# Altium PCB foxbms2-interface-mc33664.PcbDoc (part 1 of 2)
Units mm, origin at the board's own origin, x right, y up, seen from the top; angles counter-clockwise.
Board outline 70 x 120 mm, 4 copper layers (Top Copper, GND, Supply, Bot Copper), stack 1.56 mm thick; 114 components, 84 nets, 318 pads, 124 vias.
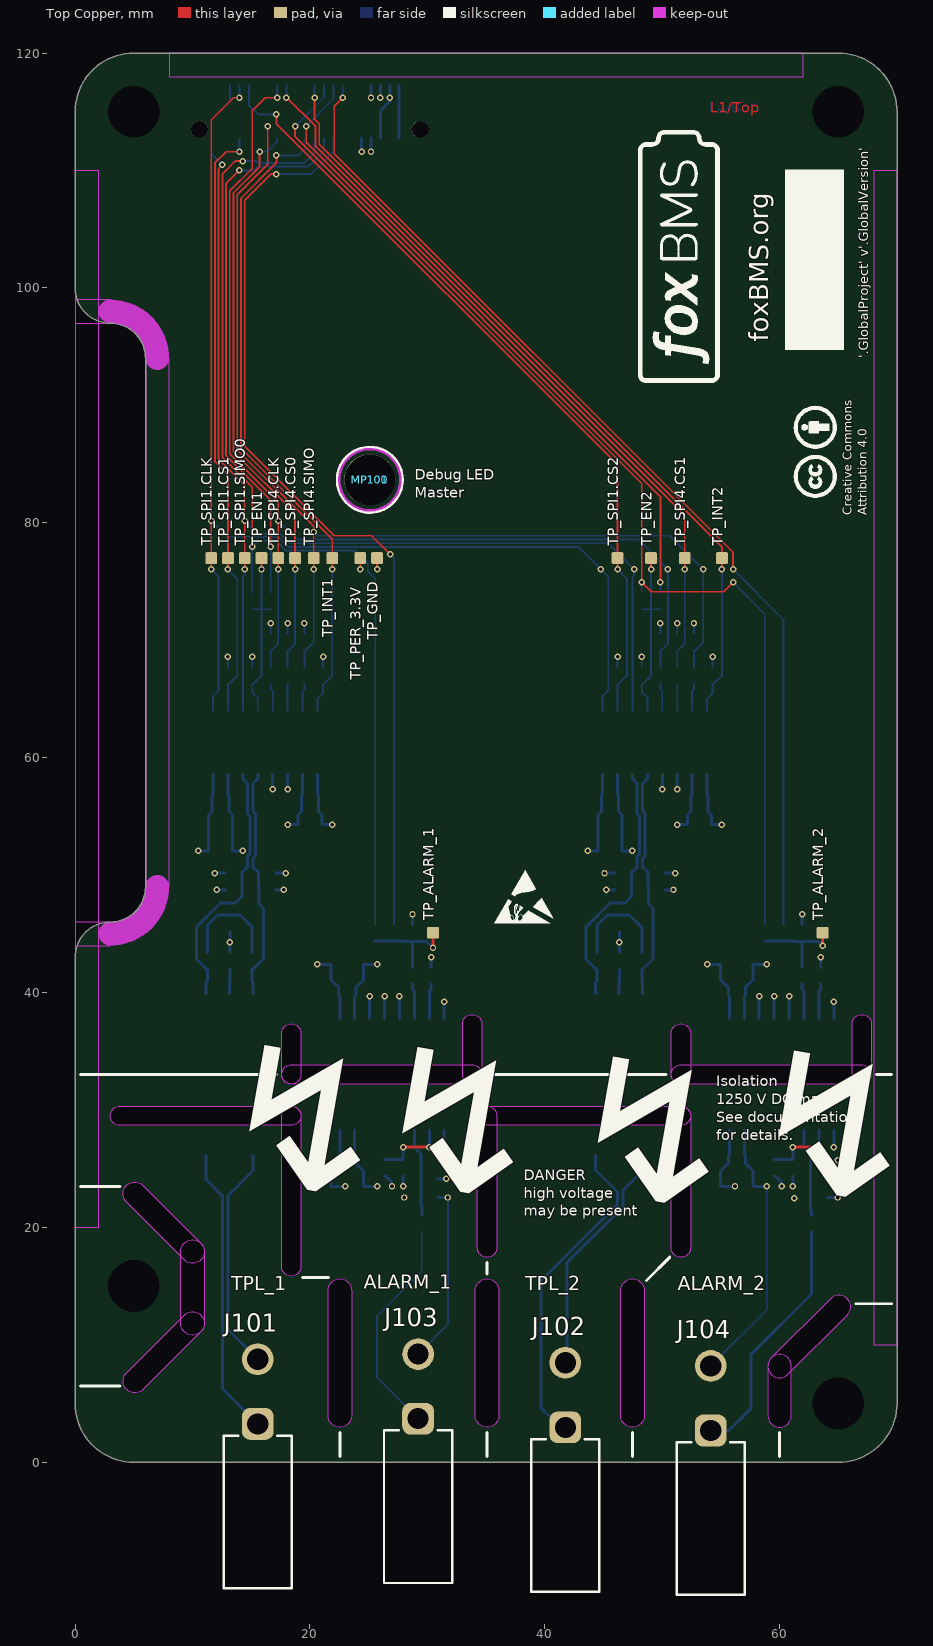
[diagram p0: Top Copper view]
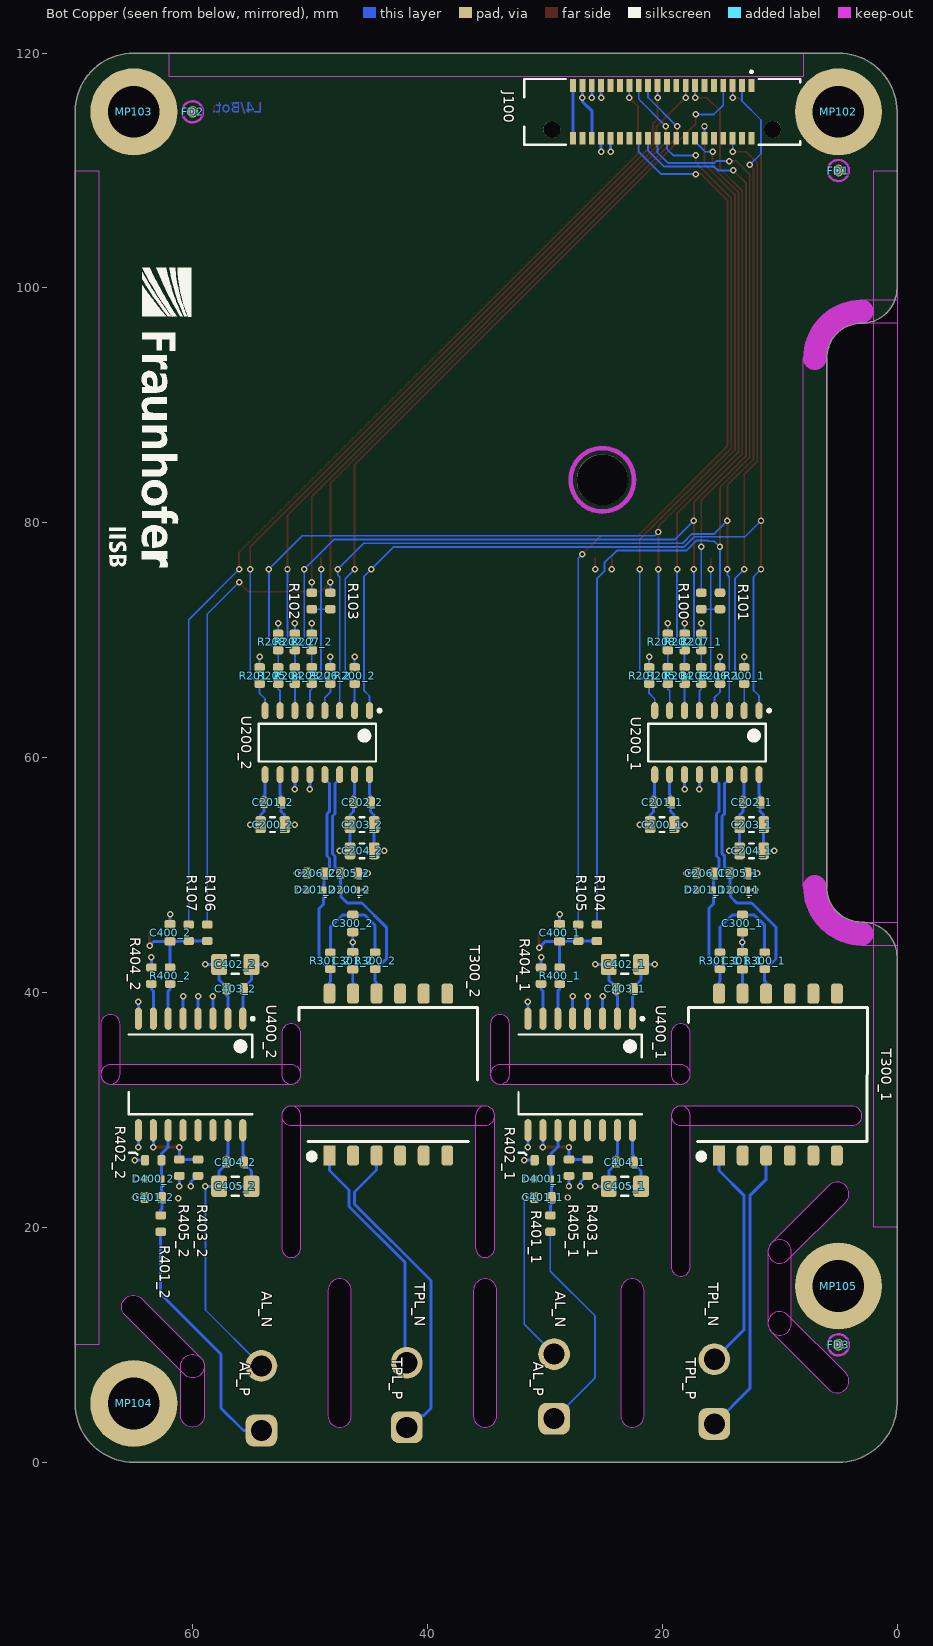
[diagram p1: Bot Copper view, seen from below]
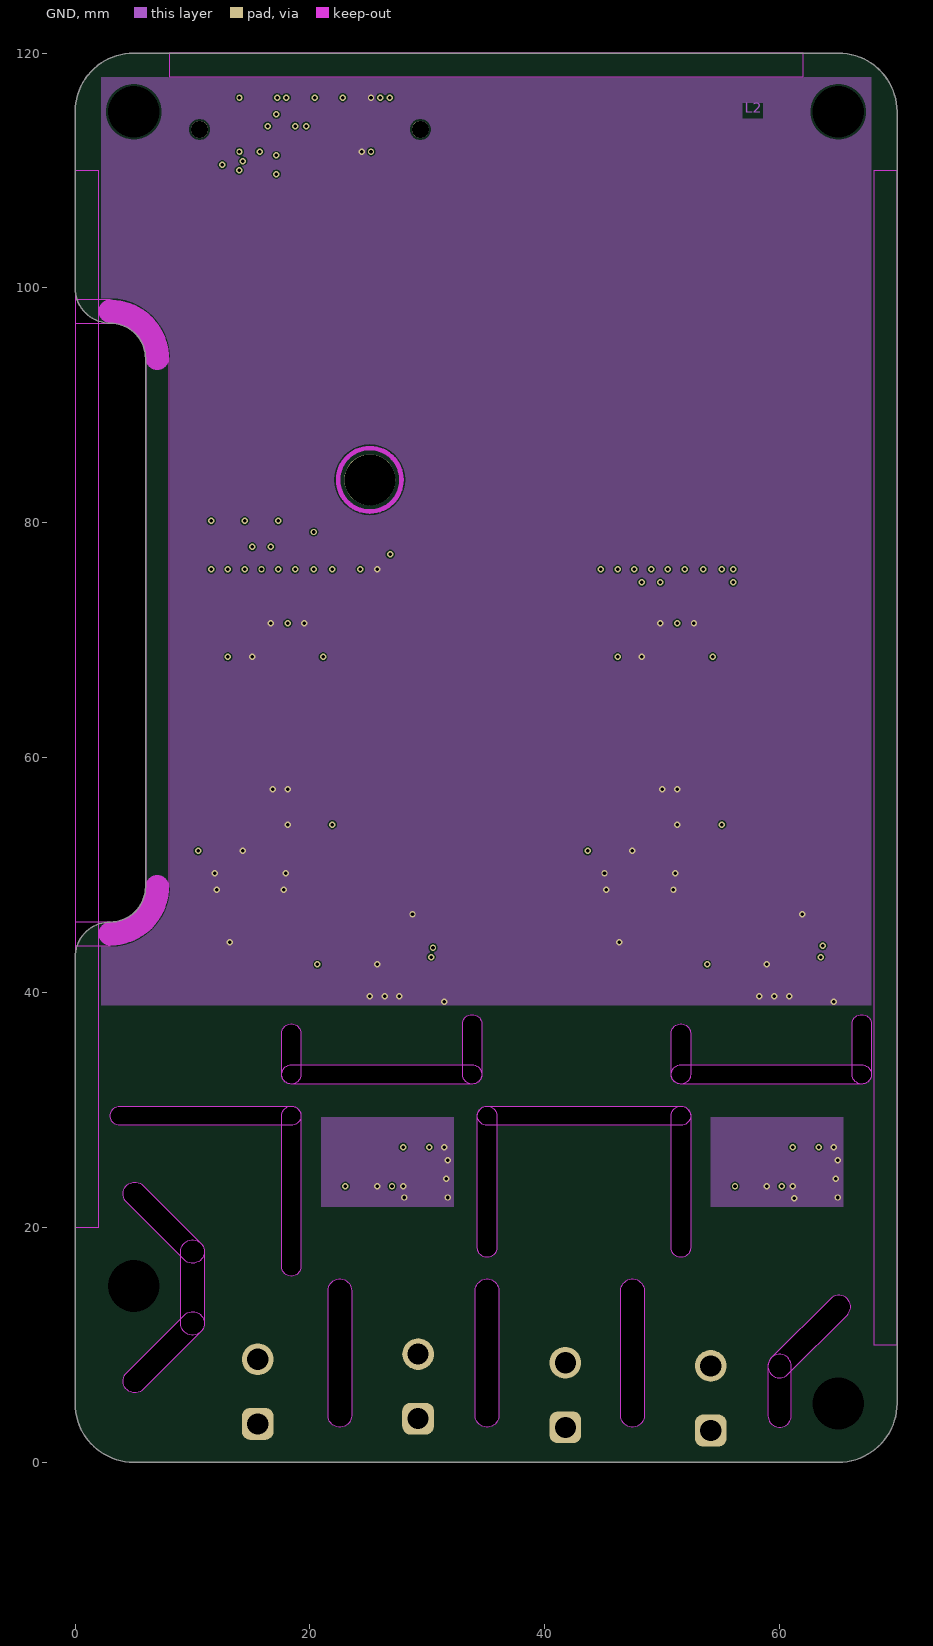
[diagram p2: GND]
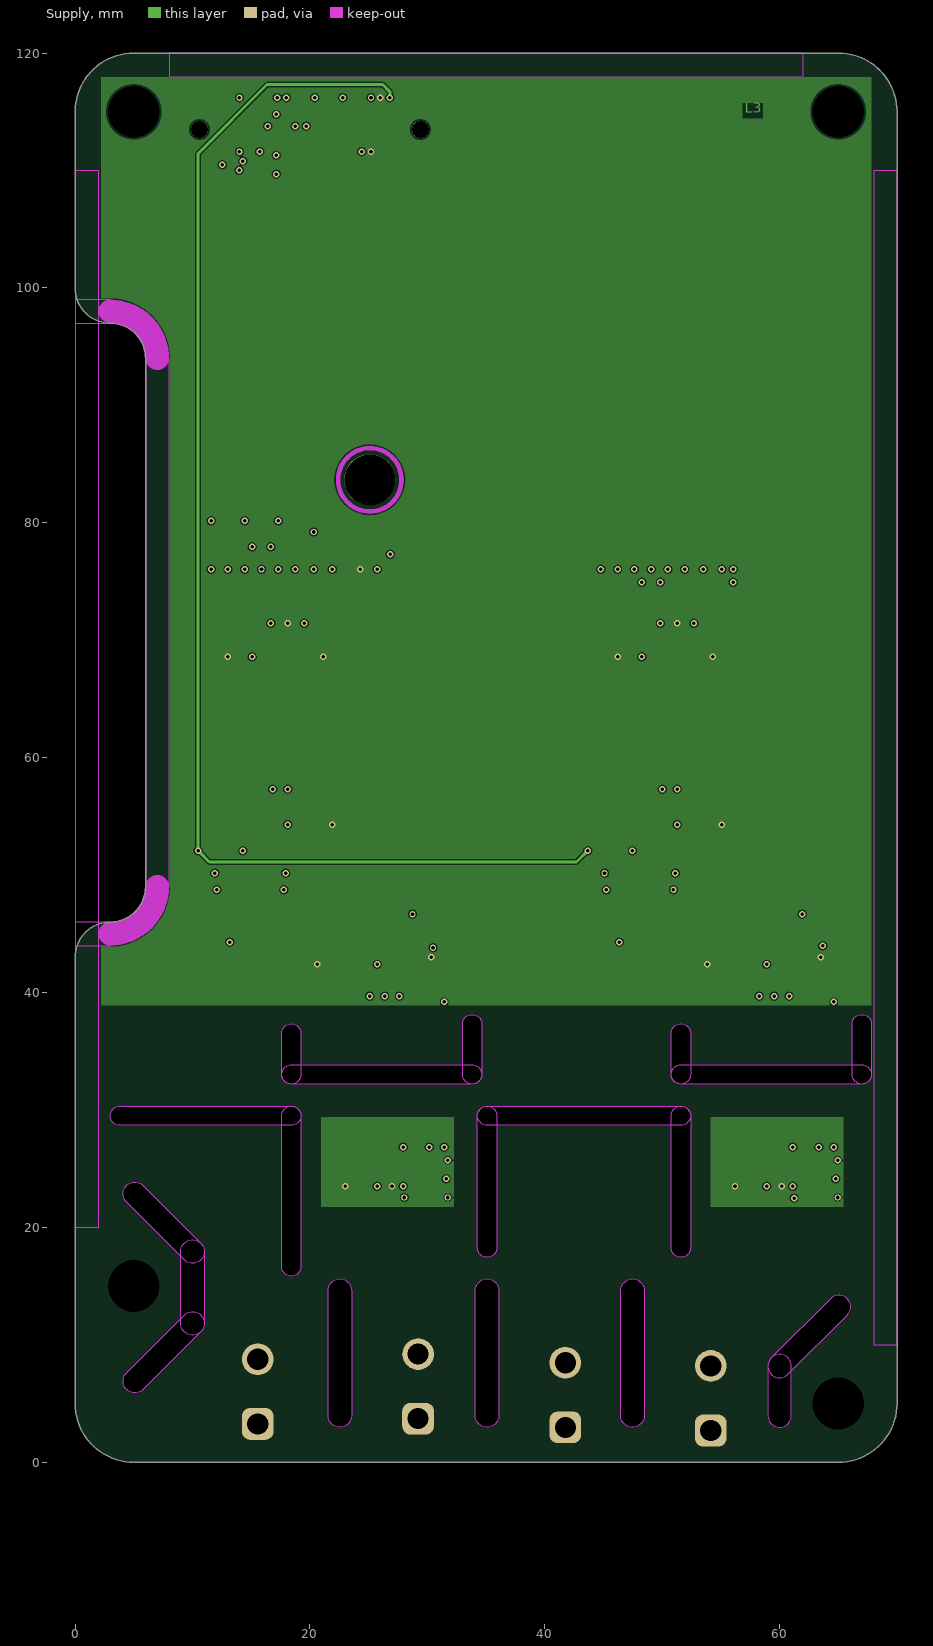
[diagram p3: Supply]
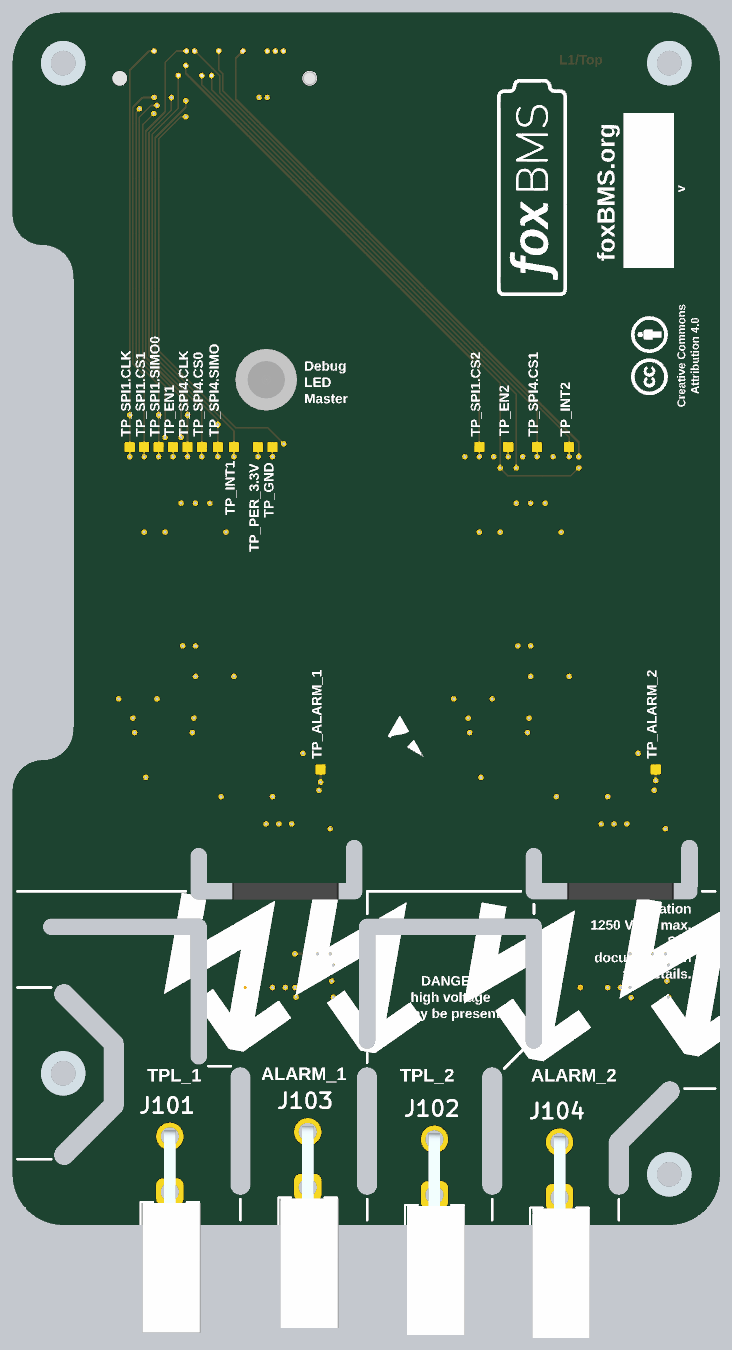
[diagram p5: 3D render of the assembled board from above, using the file's embedded part models]
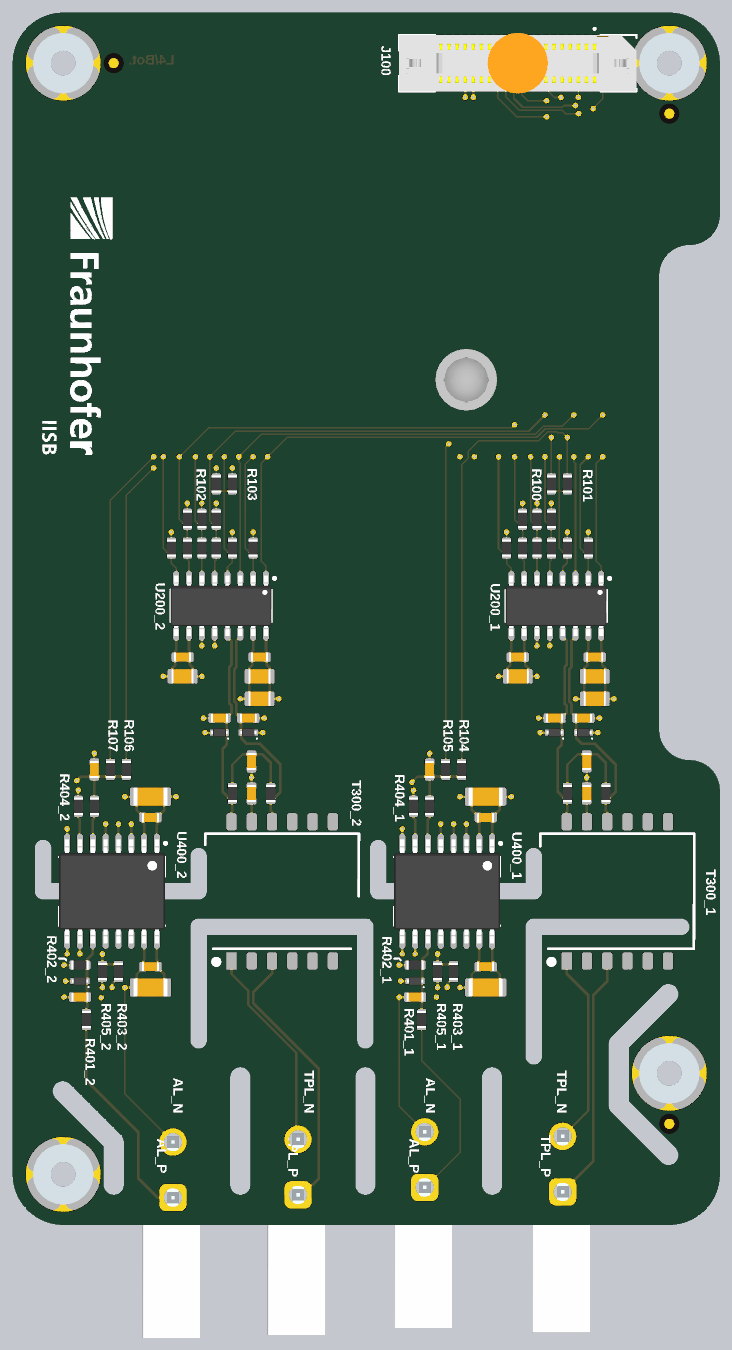
[diagram p6: 3D render of the assembled board from below, using the file's embedded part models]

## Layer stack, top to bottom
Top Solder: solder mask 0.015, Solder Resist, Dk 3.5
Top Copper: signal copper 0.035
Dielectric 1: prepreg 0.36, FR-4, Dk 4.6
GND: signal copper 0.035
Dielectric 2: core 0.7, FR-4, Dk 4.6
Supply: signal copper 0.035
Dielectric 3: prepreg 0.36, FR-4, Dk 4.6
Bot Copper: signal copper 0.035
Bottom Solder: solder mask 0.015, Solder Resist, Dk 3.5

## Board outline
0,5 0,43 cw(c3,43) 3,46 ccw(c3,49) 6,49 6,94 ccw(c3,94) 3,97 cw(c3,100) 0,100 0,115 cw(c5,115) 5,120 65,120 cw(c65,115) 70,115 70,5 cw(c65,5) 65,0 5,0 cw(c5,5)
cut-out: 34.084,14.605 cw(c35.084,14.605) 36.084,14.605 36.084,3.969 cw(c35.084,3.969) 34.084,3.969
cut-out: 35.901,18.256 cw(c35.084,18.256) 34.266,18.256 34.266,29.504 cw(c35.084,29.504) 35.901,29.504
cut-out: 50.776,36.512 cw(c51.594,36.513) 52.411,36.513 52.411,33.02 cw(c51.594,33.02) 50.776,33.02
cut-out: 66.175,37.306 cw(c66.992,37.306) 67.81,37.306 67.81,33.02 cw(c66.993,33.02) 66.175,33.02
cut-out: 51.594,32.203 cw(c51.594,33.02) 51.594,33.837 66.992,33.838 cw(c66.993,33.02) 66.993,32.203
cut-out: 52.411,18.256 cw(c51.594,18.256) 50.776,18.256 50.776,29.504 cw(c51.594,29.504) 52.411,29.504
cut-out: 19.233,16.669 cw(c18.415,16.669) 17.598,16.669 17.597,29.504 cw(c18.415,29.504) 19.233,29.504
cut-out: 18.415,30.321 cw(c18.415,29.504) 18.415,28.686 3.81,28.686 cw(c3.81,29.504) 3.81,30.321
cut-out: 51.594,30.321 cw(c51.594,29.504) 51.594,28.686 35.084,28.686 cw(c35.084,29.504) 35.084,30.321
cut-out: 18.415,32.203 cw(c18.415,33.02) 18.415,33.837 33.814,33.838 cw(c33.814,33.02) 33.814,32.203
cut-out: 32.996,37.306 cw(c33.814,37.306) 34.631,37.306 34.631,33.02 cw(c33.814,33.02) 32.996,33.02
cut-out: 17.598,36.513 cw(c18.415,36.513) 19.233,36.513 19.233,33.02 cw(c18.415,33.02) 17.598,33.02
cut-out: 9,17.939 cw(c10,17.939) 11,17.939 11,11.818 cw(c10,11.818) 9,11.818
cut-out: 5.802,6.206 cw(c5.094,6.913) 4.387,7.62 9.293,12.526 cw(c10,11.819) 10.707,11.112
cut-out: 4.387,22.137 cw(c5.094,22.844) 5.802,23.551 10.707,18.646 cw(c10,17.939) 9.293,17.232
cut-out: 21.542,14.605 cw(c22.542,14.605) 23.542,14.605 23.542,3.969 cw(c22.542,3.969) 21.542,3.969
cut-out: 46.466,14.605 cw(c47.466,14.605) 48.466,14.605 48.466,3.969 cw(c47.466,3.969) 46.466,3.969
cut-out: 65.748,12.516 ccw(c65.041,13.223) 64.334,13.93 59.293,8.889 ccw(c60,8.182) 60.707,7.475
cut-out: 61,8.182 ccw(c60,8.182) 59,8.182 59,3.969 ccw(c60,3.969) 61,3.969

## Design rules (kind name [scope] priority, off if disabled: settings)
AssemblyTestPointUsage [All] p1 off:
AssemblyTestpoint [(IsPad And (OnTopLayer Or OnBottomLayer)) Or (IsPad And OnMultiLayer)] p1 off: testpointundercomponent=FALSE minsize=1.016 maxsize=2.54 preferedsize=1.524 minholesize=0 maxholesize=1.016 preferedholesize=0.813 testpointgrid=0.025 usegrid=TRUE gridtolerance=0 allowsidetop=TRUE
BoardOutlineClearance [All] p1: gap=0.203 ignorepadtopadclearanceinfootprint=FALSE except(0.508: Arc-CavityEdge Track-CavityEdge SMDPad-CavityEdge THPad-CavityEdge Via-CavityEdge Fill-CavityEdge Poly-CavityEdge Region-CavityEdge Text-CavityEdge)
Clearance Clearance_TPL_1 [InNetClass('TPL_1') vs Not InNetClass('TPL_1')] p1: gap=1.3 ignorepadtopadclearanceinfootprint=TRUE
Clearance Clearance_TPL_2 [InNetClass('TPL_2') vs Not InNetClass('TPL_2')] p2: gap=1.3 ignorepadtopadclearanceinfootprint=TRUE
Clearance Clearance_ALARM_1 [InNetClass('ALARM_1') vs Not InNetClass('ALARM_1')] p3: gap=1.3 ignorepadtopadclearanceinfootprint=TRUE
Clearance Clearance_ALARM_2 [InNetClass('ALARM_2') vs Not InNetClass('ALARM_2')] p4: gap=1.3 ignorepadtopadclearanceinfootprint=TRUE
Clearance [All] p5: gap=0.102 ignorepadtopadclearanceinfootprint=TRUE except(0.152: Arc-Text Arc-Hole Track-Text Track-Hole SMDPad-Text SMDPad-Hole THPad-Text THPad-Hole Via-Text Via-Hole Fill-Text Fill-Hole Poly-Text Poly-Hole Region-Text Region-Hole Text-Text Text-Hole; 0.203: Arc-Via Track-Via SMDPad-Via THPad-Via Via-Via)
ComponentClearance ComponentClearance_Lightpipe [InComponent('MP100')] p1: gap=-1 collisioncheckmode=3 verticalgap=-1 showdistances=FALSE
ComponentClearance [All] p2: gap=0.2 collisioncheckmode=3 verticalgap=0.2 showdistances=FALSE
Creepage Creepage_TPL_1 [InNetClass('TPL_1') vs Not InNetClass('TPL_1')] p1: checkdistance=12.5
Creepage Creepage_TPL_2 [InNetClass('TPL_2') vs Not InNetClass('TPL_2')] p2: checkdistance=12.5
Creepage Creepage_ALARM_1 [InNetClass('ALARM_1') vs Not InNetClass('ALARM_1')] p3: checkdistance=12.5
Creepage Creepage_ALARM_2 [InNetClass('ALARM_2') vs Not InNetClass('ALARM_2')] p4: checkdistance=12.5
DiffPairsRouting [All] p1: maxlimit=0.254 minlimit=0.152 mostfreqgap=0.222 toplayer_minwidth=0.254 toplayer_maxwidth=0.254 toplayer_prefwidth=0.254 midlayer1_minwidth=0.254 midlayer1_maxwidth=0.254 midlayer1_prefwidth=0.254 midlayer2_minwidth=0.254 midlayer2_maxwidth=0.254 midlayer2_prefwidth=0.254 bottomlayer_minwidth=0.254 bottomlayer_maxwidth=0.254 bottomlayer_prefwidth=0.254 maxuncoupledlength=17.78
FabricationTestpoint [All] p1: side=1 testpointundercomponent=TRUE minsize=0.508 maxsize=7.62 preferedsize=1.524 minholesize=0 maxholesize=1.05 preferedholesize=0.813 testpointgrid=0.025 allowsidetop=TRUE usegrid=FALSE gridtolerance=0
HoleSize [All] p1: absolutevalues=TRUE maxlimit=5.994 minlimit=0.2 maxpercent=80.000 minpercent=20.000
HoleToHoleClearance [All] p1: gap=0.152 allowstackedmicrovias=TRUE
MinimumAnnularRing [All] p1: minimumring=0.102
MinimumSolderMaskSliver [All] p1: minsoldermaskwidth=0.102
PlaneConnect [All] p1: planeconnectstyle=Direct reliefexpansion=0.508 reliefentries=4 reliefconductorwidth=0.254 reliefairgap=0.254
PolygonConnect [All] p1: connectstyle=Direct reliefconductorwidth=0.254 reliefentries=4 polygonreliefangle="90 Angle" airgapwidth=0.254
RoomDefinition digital-isolator-alarm2 [InComponentClass('digital-isolator-alarm2')] p1: confinementstyle=ConfineIn formatcopy=TRUE lockcomponents=FALSE outline 51.911,18.256 67.945,18.256 67.945,47.784 51.911,47.784
RoomDefinition digital-isolator-alarm1 [InComponentClass('digital-isolator-alarm1')] p2: confinementstyle=ConfineIn formatcopy=TRUE lockcomponents=FALSE outline 18.732,18.256 34.766,18.256 34.766,47.784 18.732,47.784
RoomDefinition TPL-transceiver-2 [InComponentClass('TPL-transceiver-2')] p3: confinementstyle=ConfineIn formatcopy=TRUE lockcomponents=FALSE outline 41.434,47.942 56.991,47.942 56.991,76.359 41.434,76.359
RoomDefinition TPL-transformer-2 [InComponentClass('TPL-transformer-2')] p4: confinementstyle=ConfineIn formatcopy=TRUE lockcomponents=FALSE outline 35.401,18.256 51.276,18.256 51.276,47.784 35.401,47.784
RoomDefinition TPL-transformer-1 [InComponentClass('TPL-transformer-1')] p5: confinementstyle=ConfineIn formatcopy=TRUE lockcomponents=FALSE outline 2.222,18.256 18.098,18.256 18.098,47.784 2.222,47.784
RoomDefinition TPL-transceiver-1 [InComponentClass('TPL-transceiver-1')] p6: confinementstyle=ConfineIn formatcopy=TRUE lockcomponents=FALSE outline 8.255,47.942 23.812,47.942 23.812,76.359 8.255,76.359
RoutingVias [All] p1: holewidth=0.203 width=0.45 viastyle="Through Hole" minholewidth=0.203 minwidth=0.45 maxholewidth=1 maxwidth=7 useviatemplates=TRUE viatemplateguid#1={D0A3D638-558F-4074-B05B-B31E3332276D} viatemplatename#1=0.3mm_tented
SMDEntry [All] p1: side=TRUE corner=TRUE anyangle=FALSE
SMDToCorner [All] p1: distance=40000
SilkToSolderMaskClearance [IsPad] p1: minsilkscreentomaskgap=0.102 clearancetoexposedcopper=FALSE
SolderMaskExpansion SolderMaskExpansion_VIAs [IsVia] p1: expansion=-10 istentingtop=FALSE // Cover all Vias
SolderMaskExpansion [All] p2: expansion=0.051 istentingtop=FALSE
SupplyNets "Schematic Supply Nets_8" [InNet('GND_ISO_2')] p1: voltage=0.000
SupplyNets "Schematic Supply Nets_7" [InNet('VISO_2')] p2: voltage=0.000
SupplyNets "Schematic Supply Nets_6" [InNet('VSUP')] p3: voltage=0.000
SupplyNets "Schematic Supply Nets_5" [InNet('GND')] p4: voltage=0.000
SupplyNets "Schematic Supply Nets_4" [InNet('PER_3.3V')] p5: voltage=0.000
SupplyNets "Schematic Supply Nets_3" [InNet('VBB_12V')] p6: voltage=0.000
SupplyNets "Schematic Supply Nets_2" [InNet('GND_ISO_1')] p7: voltage=0.000
SupplyNets "Schematic Supply Nets_1" [InNet('VISO_1')] p8: voltage=0.000
SupplyNets "Schematic Supply Nets" [InNet('PER_5.0V')] p9: voltage=0.000
UnRoutedNet [All] p1: checkbadconnections=TRUE
UnpouredPolygon UnpouredPolygon_1 [All] p1:
Width [All] p1: maxlimit=1.524 minlimit=0.102 preferedwidth=0.152
18 further rules are at their usual default settings.

## Classes and differential pairs
channel class digital-isolator-3in-1out-power: digital-isolator-alarm1 digital-isolator-alarm2
component class digital-isolator-alarm2: C402_2 C403_2 C404_2 C405_2 R403_2 R404_2 R405_2 U400_2
component class digital-isolator-alarm1: C402_1 C403_1 C404_1 C405_1 R403_1 R404_1 R405_1 U400_1
channel class alarm-interface: alarm-interface-1 alarm-interface-2
net class ALARM_2: ALARM_2._P ALARM_2_IND ALARM_2_U_1 ALARM_2_U_2 ALARM_2_U_3 ALARM_2_U_4 GND_ISO_2 VISO_2
net class ALARM_1: ALARM_1._P ALARM_1_IND ALARM_1_U_1 ALARM_1_U_2 ALARM_1_U_3 ALARM_1_U_4 GND_ISO_1 VISO_1
component class alarm-interface-2: C400_2 C401_2 D400_2 R400_2 R401_2 R402_2
component class alarm-interface-1: C400_1 C401_1 D400_1 R400_1 R401_1 R402_1
channel class TPL-transformer: TPL-transformer-1 TPL-transformer-2
channel class TPL-transceiver: TPL-transceiver-1 TPL-transceiver-2
net class TPL_2: TPL_2._N TPL_2._P TR_unused_2.1 TR_unused_2.2 TR_unused_2.3
net class TPL_1: TPL_1._N TPL_1._P TR_unused_1.1 TR_unused_1.2 TR_unused_1.3
component class TPL-transformer-2: C300_2 C301_2 R300_2 R301_2 T300_2
component class TPL-transformer-1: C300_1 C301_1 R300_1 R301_1 T300_1
component class foxbms2-interface-mc33664: J100 J101 MP102 MP103 MP104 MP105 R100 R101 R102 R103 R104 R105 R106 R107 TP_ALARM_1 TP_ALARM_2 TP_EN1 TP_EN2 TP_GND TP_INT1 TP_INT2 TP_PER_3.3V TP_SPI1.CLK TP_SPI1.CS1 TP_SPI1.CS2 TP_SPI1.SIMO0 TP_SPI4.CLK TP_SPI4.CS0 TP_SPI4.CS1 TP_SPI4.SIMO
component class TPL-transceiver-2: C200_2 C201_2 C202_2 C203_2 C204_2 C205_2 C206_2 D200_2 D201_2 R200_2 R201_2 R202_2 R203_2 R204_2 R205_2 R206_2 R207_2 R208_2 U200_2
component class TPL-transceiver-1: C200_1 C201_1 C202_1 C203_1 C204_1 C205_1 C206_1 D200_1 D201_1 R200_1 R201_1 R202_1 R203_1 R204_1 R205_1 R206_1 R207_1 R208_1 U200_1
differential pair TPL_INT_2: +TPL_INT_2_P -TPL_INT_2_N
differential pair TPL_INT_1: +TPL_INT_1_P -TPL_INT_1_N
differential pair TPL_2.: +TPL_2._P -TPL_2._N
differential pair TPL_1.: +TPL_1._P -TPL_1._N

## Components (designator, comment, footprint, x,y, rotation, side; value= is the part's Value field where it differs from the comment)
C200_1 "1u/50V" CAPC2012X14N 20.002,54.292 r0 bottom (schematic designator C200)
C200_2 "1u/50V" CAPC2012X14N 53.181,54.292 r0 bottom (schematic designator C200)
C201_1 "100n/50V" CAPC1608X08N 20.002,56.197 r0 bottom (schematic designator C201)
C201_2 "100n/50V" CAPC1608X08N 53.181,56.197 r0 bottom (schematic designator C201)
C202_1 "100n/50V" CAPC1608X08N 12.383,56.197 r180 bottom (schematic designator C202)
C202_2 "100n/50V" CAPC1608X08N 45.561,56.197 r180 bottom (schematic designator C202)
C203_1 "1u/50V" CAPC2012X14N 12.383,54.292 r180 bottom (schematic designator C203)
C203_2 "1u/50V" CAPC2012X14N 45.561,54.292 r180 bottom (schematic designator C203)
C204_1 "1u/50V" CAPC2012X14N 12.383,52.07 r180 bottom (schematic designator C204)
C204_2 "1u/50V" CAPC2012X14N 45.561,52.07 r180 bottom (schematic designator C204)
C205_1 "100p/50V" CAPC1608X08N 13.494,50.165 r180 bottom (schematic designator C205)
C205_2 "100p/50V" CAPC1608X08N 46.672,50.165 r180 bottom (schematic designator C205)
C206_1 "100p/50V" CAPC1608X08N 16.351,50.165 r180 bottom (schematic designator C206)
C206_2 "100p/50V" CAPC1608X08N 49.53,50.165 r180 bottom (schematic designator C206)
C300_1 "4n7/50V" CAPC1608X08N 13.176,45.879 r270 bottom (schematic designator C300)
C300_2 "4n7/50V" CAPC1608X08N 46.355,45.879 r270 bottom (schematic designator C300)
C301_1 "100p/50V" CAPC1608X08N 13.176,42.704 r270 bottom (schematic designator C301)
C301_2 "100p/50V" CAPC1608X08N 46.355,42.704 r270 bottom (schematic designator C301)
C400_1 "4n7/50V" CAPC1608X08N 28.734,45.085 r270 bottom (schematic designator C400)
C400_2 "4n7/50V" CAPC1608X08N 61.912,45.085 r270 bottom (schematic designator C400)
C401_1 "100p/50V" CAPC1608X08N 30.162,22.543 r180 bottom (schematic designator C401)
C401_2 "100p/50V" CAPC1608X08N 63.341,22.543 r180 bottom (schematic designator C401)
C402_1 "22u/10V" CAPC3216X18N 23.177,42.386 r180 bottom (schematic designator C402)
C402_2 "22u/10V" CAPC3216X18N 56.356,42.386 r180 bottom (schematic designator C402)
C403_1 "100n/50V" CAPC1608X08N 23.177,40.322 r180 bottom (schematic designator C403)
C403_2 "100n/50V" CAPC1608X08N 56.356,40.322 r180 bottom (schematic designator C403)
C404_1 "100n/50V" CAPC1608X08N 23.177,25.559 r180 bottom (schematic designator C404)
C404_2 "100n/50V" CAPC1608X08N 56.356,25.559 r180 bottom (schematic designator C404)
C405_1 "22u/10V" CAPC3216X18N 23.177,23.495 r180 bottom (schematic designator C405)
C405_2 "22u/10V" CAPC3216X18N 56.356,23.495 r180 bottom (schematic designator C405)
D200_1 "PESD5V0V1BB" SOD523_PESD_NEXPERIA 13.494,48.736 r0 bottom (schematic designator D200)
D200_2 "PESD5V0V1BB" SOD523_PESD_NEXPERIA 46.672,48.736 r0 bottom (schematic designator D200)
D201_1 "PESD5V0V1BB" SOD523_PESD_NEXPERIA 16.351,48.736 r0 bottom (schematic designator D201)
D201_2 "PESD5V0V1BB" SOD523_PESD_NEXPERIA 49.53,48.736 r0 bottom (schematic designator D201)
D400_1 "PESD5V0V1BB" SOD523_PESD_NEXPERIA 30.162,24.13 r0 bottom (schematic designator D400)
D400_2 "PESD5V0V1BB" SOD523_PESD_NEXPERIA 63.341,24.13 r0 bottom (schematic designator D400)
FD1 "Comment" Fiducial_2 5,110 r180 bottom locked
FD2 "Comment" Fiducial_2 60,115 r180 bottom locked
FD3 "Comment" Fiducial_2 5,10 r180 bottom locked
J100 "ERF8-020-05.0-L-DV-K" SAMTEC_ERF8-020-05.0-L-DV-K 20,115 r180 bottom locked
J101 "64900229522" 64900229522 15.557,-4.238 r0 top
J102 "64900229522" 64900229522 41.751,-4.531 r0 top
J103 "64900229522" 64900229522 29.21,-3.792 r0 top
J104 "64900229522" 64900229522 54.134,-4.801 r0 top
MP100 "Comment" VCC_LPCR050CTP 25.099,83.661 r0 top locked
MP101 "Comment" VCC_RTN_150 25.099,83.661 r0 top locked
MP102 "WE_9774140360R" WE_9774140360 5,115 r180 bottom locked
MP103 "WE_9774140360R" WE_9774140360 65,115 r180 bottom locked
MP104 "WE_9774140360R" WE_9774140360 65,5 r180 bottom locked
MP105 "WE_9774140360R" WE_9774140360 5,15 r180 bottom locked
R100 "0R" RESC1608X05N 16.669,73.343 r270 bottom
R101 "0R" RESC1608X05N 15.081,73.343 r270 bottom
R102 "0R" RESC1608X05N 49.847,73.343 r270 bottom
R103 "0R" RESC1608X05N 48.26,73.343 r270 bottom
R104 "0R" RESC1608X05N 25.559,45.085 r270 bottom
R105 "0R" RESC1608X05N 27.146,45.085 r270 bottom
R106 "0R" RESC1608X05N 58.737,45.085 r270 bottom
R107 "0R" RESC1608X05N 60.325,45.085 r270 bottom
R200_1 "10k" RESC1608X05N 13.018,66.992 r90 bottom (schematic designator R200)
R200_2 "10k" RESC1608X05N 46.196,66.992 r90 bottom (schematic designator R200)
R201_1 "10k" RESC1608X05N 21.114,66.992 r90 bottom (schematic designator R201)
R201_2 "10k" RESC1608X05N 54.292,66.992 r90 bottom (schematic designator R201)
R202_1 "10k" RESC1608X05N 18.098,69.85 r90 bottom (schematic designator R202)
R202_2 "10k" RESC1608X05N 51.276,69.85 r90 bottom (schematic designator R202)
R203_1 "0R" RESC1608X05N 16.669,66.992 r270 bottom (schematic designator R203)
R203_2 "0R" RESC1608X05N 49.847,66.992 r270 bottom (schematic designator R203)
R204_1 "0R" RESC1608X05N 18.098,66.992 r270 bottom (schematic designator R204)
R204_2 "0R" RESC1608X05N 51.276,66.992 r270 bottom (schematic designator R204)
R205_1 "0R" RESC1608X05N 19.526,66.992 r270 bottom (schematic designator R205)
R205_2 "0R" RESC1608X05N 52.705,66.992 r270 bottom (schematic designator R205)
R206_1 "10k" RESC1608X05N 15.081,66.992 r270 bottom (schematic designator R206)
R206_2 "10k" RESC1608X05N 48.26,66.992 r270 bottom (schematic designator R206)
R207_1 "10k" RESC1608X05N 16.669,69.85 r270 bottom (schematic designator R207)
R207_2 "10k" RESC1608X05N 49.847,69.85 r270 bottom (schematic designator R207)
R208_1 "10k" RESC1608X05N 19.526,69.85 r270 bottom (schematic designator R208)
R208_2 "10k" RESC1608X05N 52.705,69.85 r270 bottom (schematic designator R208)
R300_1 "75R" RESC1608X05N 11.271,42.704 r270 bottom (schematic designator R300)
R300_2 "75R" RESC1608X05N 44.45,42.704 r270 bottom (schematic designator R300)
R301_1 "75R" RESC1608X05N 15.081,42.704 r90 bottom (schematic designator R301)
R301_2 "75R" RESC1608X05N 48.26,42.704 r90 bottom (schematic designator R301)
R400_1 "10k" RESC1608X05N 28.734,41.434 r90 bottom (schematic designator R400)
R400_2 "10k" RESC1608X05N 61.912,41.434 r90 bottom (schematic designator R400)
R401_1 "0R" RESC1608X05N 29.527,20.32 r270 bottom (schematic designator R401)
R401_2 "0R" RESC1608X05N 62.706,20.32 r270 bottom (schematic designator R401)
R402_1 "560R" RESC1608X05N 30.162,25.717 r0 bottom (schematic designator R402)
R402_2 "560R" RESC1608X05N 63.341,25.717 r0 bottom (schematic designator R402)
R403_1 "0R" RESC1608X05N 26.352,25.082 r270 bottom (schematic designator R403)
R403_2 "0R" RESC1608X05N 59.531,25.082 r270 bottom (schematic designator R403)
R404_1 "0R" RESC1608X05N 30.321,41.434 r90 bottom (schematic designator R404)
R404_2 "0R" RESC1608X05N 63.5,41.434 r90 bottom (schematic designator R404)
R405_1 "0R" RESC1608X05N 27.94,25.082 r90 bottom (schematic designator R405)
R405_2 "0R" RESC1608X05N 61.119,25.082 r90 bottom (schematic designator R405)
T300_1 "HM2102NLT" HM2102NL 10.16,33.02 r90 bottom locked (schematic designator T300)
T300_2 "HM2102NLT" HM2102NL 43.339,33.02 r90 bottom locked (schematic designator T300)
TP_ALARM_1 "Testpoint_Square" Testpoint_S1 30.48,45.085 r90 top
TP_ALARM_2 "Testpoint_Square" Testpoint_S1 63.659,45.085 r90 top
TP_EN1 "Testpoint_Square" Testpoint_S1 15.875,76.994 r270 top
TP_EN2 "Testpoint_Square" Testpoint_S1 49.054,76.994 r90 top
TP_GND "Testpoint_Square" Testpoint_S1 25.717,76.994 r90 top
TP_INT1 "Testpoint_Square" Testpoint_S1 21.907,76.994 r270 top
TP_INT2 "Testpoint_Square" Testpoint_S1 55.086,76.994 r90 top
TP_PER_3.3V "Testpoint_Square" Testpoint_S1 24.289,76.994 r90 top
TP_SPI1.CLK "Testpoint_Square" Testpoint_S1 11.589,76.994 r270 top
TP_SPI1.CS1 "Testpoint_Square" Testpoint_S1 13.018,76.994 r270 top
TP_SPI1.CS2 "Testpoint_Square" Testpoint_S1 46.196,76.994 r270 top
TP_SPI1.SIMO0 "Testpoint_Square" Testpoint_S1 14.446,76.994 r270 top
TP_SPI4.CLK "Testpoint_Square" Testpoint_S1 17.304,76.994 r90 top
TP_SPI4.CS0 "Testpoint_Square" Testpoint_S1 18.732,76.994 r90 top
TP_SPI4.CS1 "Testpoint_Square" Testpoint_S1 51.911,76.994 r90 top
TP_SPI4.SIMO "Testpoint_Square" Testpoint_S1 20.32,76.994 r270 top
U200_1 "MC33664ATL1EG" MC33664ATL1EG 16.192,61.277 r270 bottom (schematic designator U200)
U200_2 "MC33664ATL1EG" MC33664ATL1EG 49.371,61.277 r270 bottom (schematic designator U200)
U400_1 "ISOW7841AQDWEQ1" TI_DWE0016A 26.987,33.02 r270 bottom locked (schematic designator U400)
U400_2 "ISOW7841AQDWEQ1" TI_DWE0016A 60.166,33.02 r270 bottom locked (schematic designator U400)

## Footprints (in the part's own frame and the unit in brackets; to place one, negate y for a bottom-side part, rotate by r counter-clockwise, add the part's x,y. Pads: shape width x height; smd on the part's side, far side on the other; paste and mask are expansions set on the pad)
64900229522 [mm] "4.20mm Male Dual Row Angled Header, 2p"
  rrect50% 2.7x2.7 hole 1.8: 1(0,7.5)
  round 2.7 hole 1.8: 2(0,13)
  silkscreen extent -2.9,-6.5 2.9,6.5, body extent -2.7,-6.4 3.02,13.57, height 11.43
CAPC1608X08N [mm] "Chip Capacitor, 2-Leads, Body 1,60x0,80mm, IPC Medium Density"
  rrect50% 0.75x0.95 smd: 1(-0.725,0) 2(0.725,0)
  body extent -0.85,-0.45 0.85,0.45, height 0.8
CAPC2012X14N [mm] "Chip Capacitor, 2-Leads, Body 2,00x1,25mm, IPC Medium Density"
  rrect40% 0.9x1.45 smd: 1(-1.025,0) 2(1.025,0)
  silkscreen extent -0.2,-0.63 0.2,0.63, body extent -1.1,-0.72 1.1,0.72, height 1.45
CAPC3216X18N [mm] "Chip Capacitor, 2-Leads, Body 3,20x1,60mm, IPC Medium Density"
  rrect30% 1.35x1.8 smd: 1(-1.375,0) 2(1.375,0)
  silkscreen extent -0.3,-0.8 0.3,0.8, body extent -1.7,-0.9 1.7,0.9, height 1.8
Fiducial_2 [mm] "Fiducial Round 1mm"
  round 1 smd paste-0.5 mask+0.5: 0(0,0)
  Top Copper keep-out circle w0.2: c0,0 r0.9
HM2102NL [mil]
  rect 67.5x40 smd: 1(-271.65,196.85)
  rrect50% 67.5x40 smd: 2(-271.65,117.85) 3(-271.65,38.85) 4(-271.65,-40.15) 5(-271.65,-119.15) 6(-271.65,-198.15) 7(270.85,-198.15) 8(270.85,-119.15) 9(270.85,-40.15) 10(270.85,38.85) 11(270.85,117.85) 12(270.85,196.85)
  silkscreen extent -224,-300 224,299, body extent -224,-299 224,299, height 197
MC33664ATL1EG [mm] "plastic small outline package; 16 leads;  1.27 mm pitch; body 9.9 mm * 3.9 mm * 1.75 mm"
  oval 1.45x0.6 smd: 1(-2.725,4.445) 2(-2.725,3.175) 3(-2.725,1.905) 4(-2.725,0.635) 5(-2.725,-0.635) 6(-2.725,-1.905) 7(-2.725,-3.175) 8(-2.725,-4.445) 9(2.725,-4.445) 10(2.725,-3.175) 11(2.725,-1.905) 12(2.725,-0.635) 13(2.725,0.635) 14(2.725,1.905) 15(2.725,3.175) 16(2.725,4.445)
  silkscreen extent -2.85,-5 1.6,5.42, body extent -3,-5 3,5, height 1.75
RESC1608X05N [mm] "Chip Resistor, 2-Leads, Body 1,60x0,80mm, IPC Medium Density"
  rrect50% 0.7x0.9 smd: 1(-0.7,0) 2(0.7,0)
  body extent -0.85,-0.45 0.85,0.45, height 0.45
SAMTEC_ERF8-020-05.0-L-DV-K [mm] "0.80 Samtec 0.8mm Edge Rate Robust Highspeed-Terminal"
  rect 0.5x1.1 smd: 1(7.6,2.25) 2(7.6,-2.25) 3(6.8,2.25) 4(6.8,-2.25) 5(6,2.25) 6(6,-2.25) 7(5.2,2.25) 8(5.2,-2.25) 9(4.4,2.25) 10(4.4,-2.25) 11(3.6,2.25) 12(3.6,-2.25) 13(2.8,2.25) 14(2.8,-2.25) 15(2,2.25) 16(2,-2.25) 17(1.2,2.25) 18(1.2,-2.25) 19(0.4,2.25) 20(0.4,-2.25) 21(-0.4,2.25) 22(-0.4,-2.25) 23(-1.2,2.25) 24(-1.2,-2.25) 25(-2,2.25) 26(-2,-2.25) 27(-2.8,2.25) 28(-2.8,-2.25) 29(-3.6,2.25) 30(-3.6,-2.25) 31(-4.4,2.25) 32(-4.4,-2.25) 33(-5.2,2.25) 34(-5.2,-2.25) 35(-6,2.25) 36(-6,-2.25) 37(-6.8,2.25) 38(-6.8,-2.25) 39(-7.6,2.25) 40(-7.6,-2.25)
  round 1.45 hole 1.45 unplated: ""(-9.4,-1.5) ""(9.4,-1.5)
  silkscreen extent -11.75,-2.8 11.75,3.5, body extent -11.75,-3 11.75,3, height 5.49
SOD523_PESD_NEXPERIA [mm] "SODFL, 2-Leads, Body 0,80x1,60mm, IPC Medium Density"
  rect 0.5x0.6 smd: 1(-0.7,0) 2(0.7,0)
  silkscreen extent -0.9,0.55 -0.8,0.65, body extent -0.8,-0.43 0.8,0.43, height 0.65
Testpoint_S1 [mm] "Testpunkt, quardratisch 1mm"
  rrect20% 1x1 smd paste-0.5: 1(0,0)
TI_DWE0016A [mm] "SOIC, 16-Leads, Body 10,30x7,50mm, Pitch 1,27mm, IPC Medium Density"
  oval 1.9x0.6 smd: 1(-4.75,4.445) 2(-4.75,3.175) 3(-4.75,1.905) 4(-4.75,0.635) 5(-4.75,-0.635) 6(-4.75,-1.905) 7(-4.75,-3.175) 8(-4.75,-4.445) 9(4.75,-4.445) 10(4.75,-3.175) 11(4.75,-1.905) 12(4.75,-0.635) 13(4.75,0.635) 14(4.75,1.905) 15(4.75,3.175) 16(4.75,4.445)
  silkscreen extent -4.87,-5.25 3.4,5.42, body extent -5.15,-5.25 5.15,5.25, height 2.65
VCC_LPCR050CTP [mm] "Lightpipe Clear LPCR Series"
  round 4.34 hole 4.34 unplated: Lightpipe(0,0)
  Keep-Out Layer circle w0.4: c0,0 r2.7
  silkscreen extent -2.8,-2.8 2.8,2.8, body extent -2.41,-2.41 2.41,2.41, height 0.77
VCC_RTN_150 [mm] "Grommet Retainer for LPC and LPCR Series Lightpipe"
  body extent -3.05,-3.05 3.05,3.05, height 3.92
WE_9774140360 [mm] "WA-SMSI SMT Steel Spacer with internal thread M 3"
  round 7.4 / inner round 0 / far side round 0 hole 4.4 unplated: 1(0,0)
  body extent -3,-3 3,3, height 14.01

## Part data
C200_1 C200_2 C203_1 C203_2 C204_1 C204_2: library part gen_C_ceramic_1u_50V_X7R_0805, "MLCC", Capacitance=1u, Case EIA=0805, Case Metric=2012, Dielectric=X7R, Operating Temperature="-55°C - +125°C", Rated Voltage=50V, Supplier Part Number 1=2672199, Tolerance="± 10%", Automotive Qualified=True, AVT Set=x, Part Number=gen_C_ceramic_1u_50V_X7R_0805, Supplier 1=Farnell, Supplier 2=Farnell, Supplier 3=Farnell, Supplier Part Number 2=2479894, Supplier Part Number 3=2464630
C201_1 C201_2 C202_1 C202_2 C403_1 C403_2 C404_1 C404_2: library part gen_C_ceramic_100n_50V_X7R_0603, "MLCC", Capacitance=100n, Case EIA=0603, Case Metric=1608, Dielectric=X7R, PnP Package=0603C, PnP Value=100nF/50V/X7R, Rated Voltage=50V, Supplier Part Number 1=2525267, AEC-Q Norm=AEC-Q200, Automotive Qualified=True, ECCN=EAR99, Part Number=gen_C_ceramic_100n_50V_X7R_0603, PnP equipped=x, Supplier 1=Farnell, Supplier 2=Digikey, Supplier Part Number 2=490-6049-1-ND
C205_1 C205_2 C206_1 C206_2 C301_1 C301_2 C401_1 C401_2: library part gen_C_ceramic_100p_50V_C0G_0603, "MLCC", Capacitance=100p, Case EIA=0603, Case Metric=1608, Dielectric=C0G, PnP Package=0603C, PnP Value=100pF/50V/NP0, Rated Voltage=50V, Supplier Part Number 1=2478236, Tolerance="± 10%", AEC-Q Norm=AEC-Q200, Automotive Qualified=True, ECCN=EAR99, Part Number=gen_C_ceramic_100p_50V_C0G_0603, PnP equipped=x, Supplier 1=Farnell
C300_1 C300_2 C400_1 C400_2: library part gen_C_ceramic_4n7_50V_X7R_0603, "MLCC", Capacitance=4n7, Case EIA=0603, Case Metric=1608, Dielectric=X7R, PnP Package=0603C, Rated Voltage=50V, Supplier Part Number 1=2904754, Automotive Qualified=True, Part Number=gen_C_ceramic_4n7_50V_X7R_0603, Supplier 1=Farnell
C402_1 C402_2 C405_1 C405_2: library part gen_C_ceramic_22u_10V_X7R_1206, "MLCC", Capacitance=22u, Case EIA=1206, Case Metric=3216, Dielectric=X7R, Rated Voltage=10V, Supplier Part Number 1=587-4243-1-ND, Automotive Qualified=True, Part Number=gen_C_ceramic_22u_10V_X7R_1206, Supplier 1=Digikey
D200_1 D200_2 D201_1 D201_2 D400_1 D400_2: "Very low capacitance bidirectional ESD protection diode", Breakdown Voltage=6.8V, Manufacturer=Nexperia, Operating Temperature="-55°C - +150°C", PnP Package=SOD523, Supplier Part Number 1=771-PESD5V0V1BB115, AEC-Q Norm=AEC-Q101, Automotive Qualified=True, ComponentLink1Description=Datasheet, ComponentLink1URL=https://assets.nexperia.com/documents/data-sheet/PESD5V0V1BB.pdf, ECCN=EAR99, Part Name=PESD5V0V1BB, Part Number=PESD5V0V1BB, Supplier 1=Mouser, Supplier 2=Digikey, Supplier 3=Farnell, Supplier Part Number 2=1727-5808-1-ND, Supplier Part Number 3=2069367
J100: library part SAMTEC_ERF8-020-05.0-L-DV-K, "Edge Rate rugged high-speed connector strips", Manufacturer=Samtec, Operating Temperature="-55°C - +125°C", Supplier Part Number 1=3771957, Automotive Qualified=False, Circuits=40, ComponentLink1Description=Datasheet, ComponentLink1URL=https://suddendocs.samtec.com/catalog_english/erf8-s.pdf, ECCN=EAR99, Part Name=ERF8-020-05.0-L-DV-K, Part Number=SAMTEC_ERF8-020-05.0-L-DV-K, Supplier 1=Farnell, Supplier 2=Digikey, Supplier 3=Mouser, Supplier Part Number 2=SAM13550CT-ND, Supplier Part Number 3=200-ERF8020050LDVKTR, System=Connector
J101 J102 J103 J104: library part CMP-1502-00517-2, Color=White, Contact Resistance=10mΩ, Current Rating=9A, Flammability Rating="UL94 V-0", Insulation Resistance=1GΩ, Max Operating Temperature=105°C, Min Operating Temperature=-40°C, Operating Supply Voltage=600V, Connector Type="Male Pin, Socket", Contact Gender=Male, Contact Material=Copper, Contact Plating=Tin, Fastening Type=Ramp, Gender=Male, Height=12.8mm, Housing Material=Nylon, Insulation=Insulated, Lead Pitch=4.2mm, Length=5.4mm, Mount="Through Hole", NexarPartId=8917583, Number of Contacts=2, Number of Pins=2, Number of Positions=2, Number of Rows=2, Pitch=4.2mm, REACH SVHC=Unknown, RoHS=Compliant, Row Spacing=5.5118mm, Termination="Through Hole", Voltage Rating=600V, Width=5.4mm
MP102 MP103 MP104 MP105: "WA-SMSI SMT Steel Spacer with internal thread M 3", Manufacturer="Würth Elektronik", Operating Temperature="-55°C - +150°C", Supplier Part Number 1=732-5281-1-ND, Automotive Qualified=False, ComponentLink1Description=Datasheet, ComponentLink1URL=https://www.we-online.com/catalog/datasheet/9774140360R.pdf, ECCN=EAR99, Part Name=WE_9774140360R, Part Number=WE_9774140360R, Supplier 1=Digikey, Supplier 2=Mouser, Supplier Part Number 2=710-9774140360R
R100 R101 R102 R103 R104 R105 R106 R107 R203_1 R203_2 R204_1 R204_2 R205_1 R205_2 R401_1 R401_2 R403_1 R403_2 R404_1 R404_2 R405_1 R405_2: library part gen_R_0R_0603, "SMD Resistor 0R 0603", Case EIA=0603, Case Metric=1608, Maximum Working Voltage=75V, Operating Temperature="-55°C - +155°C", PnP Package=0603R, Power=0.1W, Supplier Part Number 1=2616580, Automotive Qualified=True, Part Number=gen_R_0R_0603, PnP equipped=x, PnP Value=0R, Resistance=0R, Series=Jumper, Supplier 1=Farnell
R200_1 R200_2 R201_1 R201_2 R202_1 R202_2 R206_1 R206_2 R207_1 R207_2 R208_1 R208_2 R400_1 R400_2: library part gen_R_10k_0603, "SMD Resistor 10k 0603", Case EIA=0603, Case Metric=1608, Maximum Working Voltage=75V, Operating Temperature="-55°C - +155°C", PnP Package=0603R, Power=0.1W, Supplier Part Number 1=2073349, Tolerance=1%, Automotive Qualified=True, Part Number=gen_R_10k_0603, PnP equipped=x, PnP Value=10k, Resistance=10k, Series="E24, E96", Supplier 1=Farnell
R300_1 R300_2 R301_1 R301_2: library part gen_R_75R_0603, "SMD Resistor 75R 0603", Case EIA=0603, Case Metric=1608, Maximum Working Voltage=75V, Operating Temperature="-55°C - +155°C", PnP Package=0603R, Power=0.1W, Supplier Part Number 1=667-ERJ-UP3F75R0V, Tolerance=1%, AEC-Q Grade="Grade 0", AEC-Q Norm=AEC-Q200, Automotive Qualified=True, ECCN=EAR99, Part Number=gen_R_75R_0603, PnP Value=75R, Resistance=75R, Series="E24, E96", Supplier 1=Mouser
R402_1 R402_2: library part gen_R_560R_0603, "SMD Resistor 560R 0603", Case EIA=0603, Case Metric=1608, Maximum Working Voltage=75V, Operating Temperature="-55°C - +155°C", PnP Package=0603R, Power=0.1W, Supplier Part Number 1=667-ERJ-UP3F5600V, Tolerance=1%, AEC-Q Grade="Grade 0", AEC-Q Norm=AEC-Q200, Automotive Qualified=True, ECCN=EAR99, Part Number=gen_R_560R_0603, PnP Value=560R, Resistance=560R, Series=E24, Supplier 1=Mouser
T300_1 T300_2: "Pulse HM2102NLT BMS Transformer", Manufacturer=Pulse, Operating Temperature="-40°C - +125°C", Supplier Part Number 1=673-HM2102NLT, AEC-Q Norm=AEC-Q200, Automotive Qualified=True, ComponentLink1Description=Datasheet, ComponentLink1URL=https://www.mouser.de/datasheet/2/336/HM2102NL-1218600.pdf, ECCN=EAR99, Part Number=HM2102NLT, Supplier 1=Mouser, Supplier 2=Digikey, Supplier Part Number 2=1840-1034-1-ND
TP_ALARM_1 TP_ALARM_2 TP_EN1 TP_EN2 TP_GND TP_INT1 TP_INT2 TP_PER_3.3V TP_SPI1.CLK TP_SPI1.CS1 TP_SPI1.CS2 TP_SPI1.SIMO0 TP_SPI4.CLK TP_SPI4.CS0 TP_SPI4.CS1 TP_SPI4.SIMO: "Testpoint, square", Automotive Qualified=False, Part Number=Testpoint_Square
U200_1 U200_2: "Isolated network high-speed transceiver", Manufacturer=NXP, Operating Temperature="-40°C - +125°C", PnP Package=SOT109-5, Supplier Part Number 1=841-MC33664ATL1EG, Automotive Qualified=True, ComponentLink1Description=Datasheet, ComponentLink1URL=https://www.nxp.com/docs/en/data-sheet/MC33664_SDS.pdf, ECCN=EAR99, Part Name=MC33664ATL1EG, Part Number=MC33664ATL1EG, Supplier 1=Mouser, Supplier 2=Digikey, Supplier 3=Farnell, Supplier Part Number 2="568-13893-ND / 568-13893-ND", Supplier Part Number 3=2890308
U400_1 U400_2: "Automotive High-Performance, 5000-VRMS Reinforced Quad-Channel Digital Isolator With Integrated High-Efficiency, Low-Emissions DC-DC Converter", Manufacturer="Texas Instruments", Operating Temperature="−40°C - +125°C", PnP Package=SOIC-16, Supplier Part Number 1=296-ISOW7841AQDWEQ1-ND, AEC-Q Grade="Grade 1", AEC-Q Norm=AEC-Q100, Automotive Qualified=True, ComponentLink1Description=Datasheet, ComponentLink1URL=https://www.ti.com/lit/ds/symlink/isow7841a-q1.pdf?ts=1619516874236, ECCN=EAR99, Part Name=ISOW7841AQDWEQ1, Part Number=ISOW7841AQDWEQ1, Supplier 1=Digikey, Supplier 2=Mouser, Supplier Part Number 2=595-ISOW7841AQDWEQ1

## Via types
v1: diameter 0.55, hole 0.3, Top Copper to Bot Copper, 124 vias

## Nets (pads, with @x,y where several pads share a name; then routed paths per layer and width w, separated by ;. In a path a pad name is that pad's centre, name@x,y a point inside that pad or via, vN(x,y) a via of type N, cw(c..) or ccw(c..) an arc to the next point about the centre after c; other vN are vias at no path point)
1_OUTD_1: R400_1.1 U400_1.6 | length 3
  Bot Copper w0.254: R400_1.1@28.734,40.734 28.734,40.282 28.892,40.123 U400_1.6@28.892,37.77
1_OUTD_2: R400_2.1 U400_2.6 | length 3
  Bot Copper w0.254: R400_2.1@61.912,40.734 61.912,40.282 62.071,40.123 U400_2.6@62.071,37.77
\IF_INT0: J100.20 R201_1.1 TP_INT1.1 U200_1.8 | length 55.9
  Top Copper w0.152: v1(17.145,111.284) 17.145,110.649 14.129,107.632 14.129,86.36 21.907,78.581 TP_INT1.1@21.907,76.994 v1(21.907,76.041)
  Bot Copper w0.152: v1(17.145,111.284) 19.05,111.284 19.6,111.834 J100.20@19.6,112.75 ; U200_1.8@20.637,64.003 20.637,64.998 21.114,65.474 R201_1.1@21.114,66.292 21.214,66.292 21.907,66.986 v1(21.907,76.041)
\IF_INT1: J100.21 R201_2.1 TP_INT2.1 U200_2.8 | length 68.2
  Top Copper w0.152: v1(20.4,116.205) 20.4,114.379 20.796,113.983 20.796,112.236 55.086,77.946 TP_INT2.1@55.086,76.994 v1(55.086,76.041)
  Bot Copper w0.152: v1(20.4,116.205) J100.21@20.4,117.25 ; U200_2.8@53.816,64.003 53.816,64.998 54.292,65.474 R201_2.1@54.292,66.292 54.392,66.292 55.086,66.986 v1(55.086,76.041)
\IF_INT2: J100.22 R101.1 R104.1 | length 88.6
  Top Copper w0.152: v1(14.287,110.807) 13.652,110.807 12.541,109.696 12.541,85.566 15.081,83.026 v1(15.081,77.946)
  Bot Copper w0.152: v1(14.287,110.807) 15.399,110.807 15.557,110.649 19.526,110.649 20.4,111.522 J100.22@20.4,112.75 ; R101.1@15.081,74.043 v1(15.081,77.946) 15.557,78.422 16.034,78.422 16.112,78.501 17.067,78.501 17.939,77.629 23.879,77.629 24.924,76.584 24.924,75.882 25.559,75.248 R104.1@25.559,45.785